# Altium PCB PCB2.PcbDoc (part 1 of 2)
Units mm, origin at the board's own origin, x right, y up, seen from the top; angles counter-clockwise.
Board outline 250.01 x 175.54 mm, 2 copper layers (Top Layer, Bottom Layer), stack 1.639 mm thick; 124 components, 51 nets, 283 pads, 38 vias.
Unrouted connection lines stored in the file: 9.
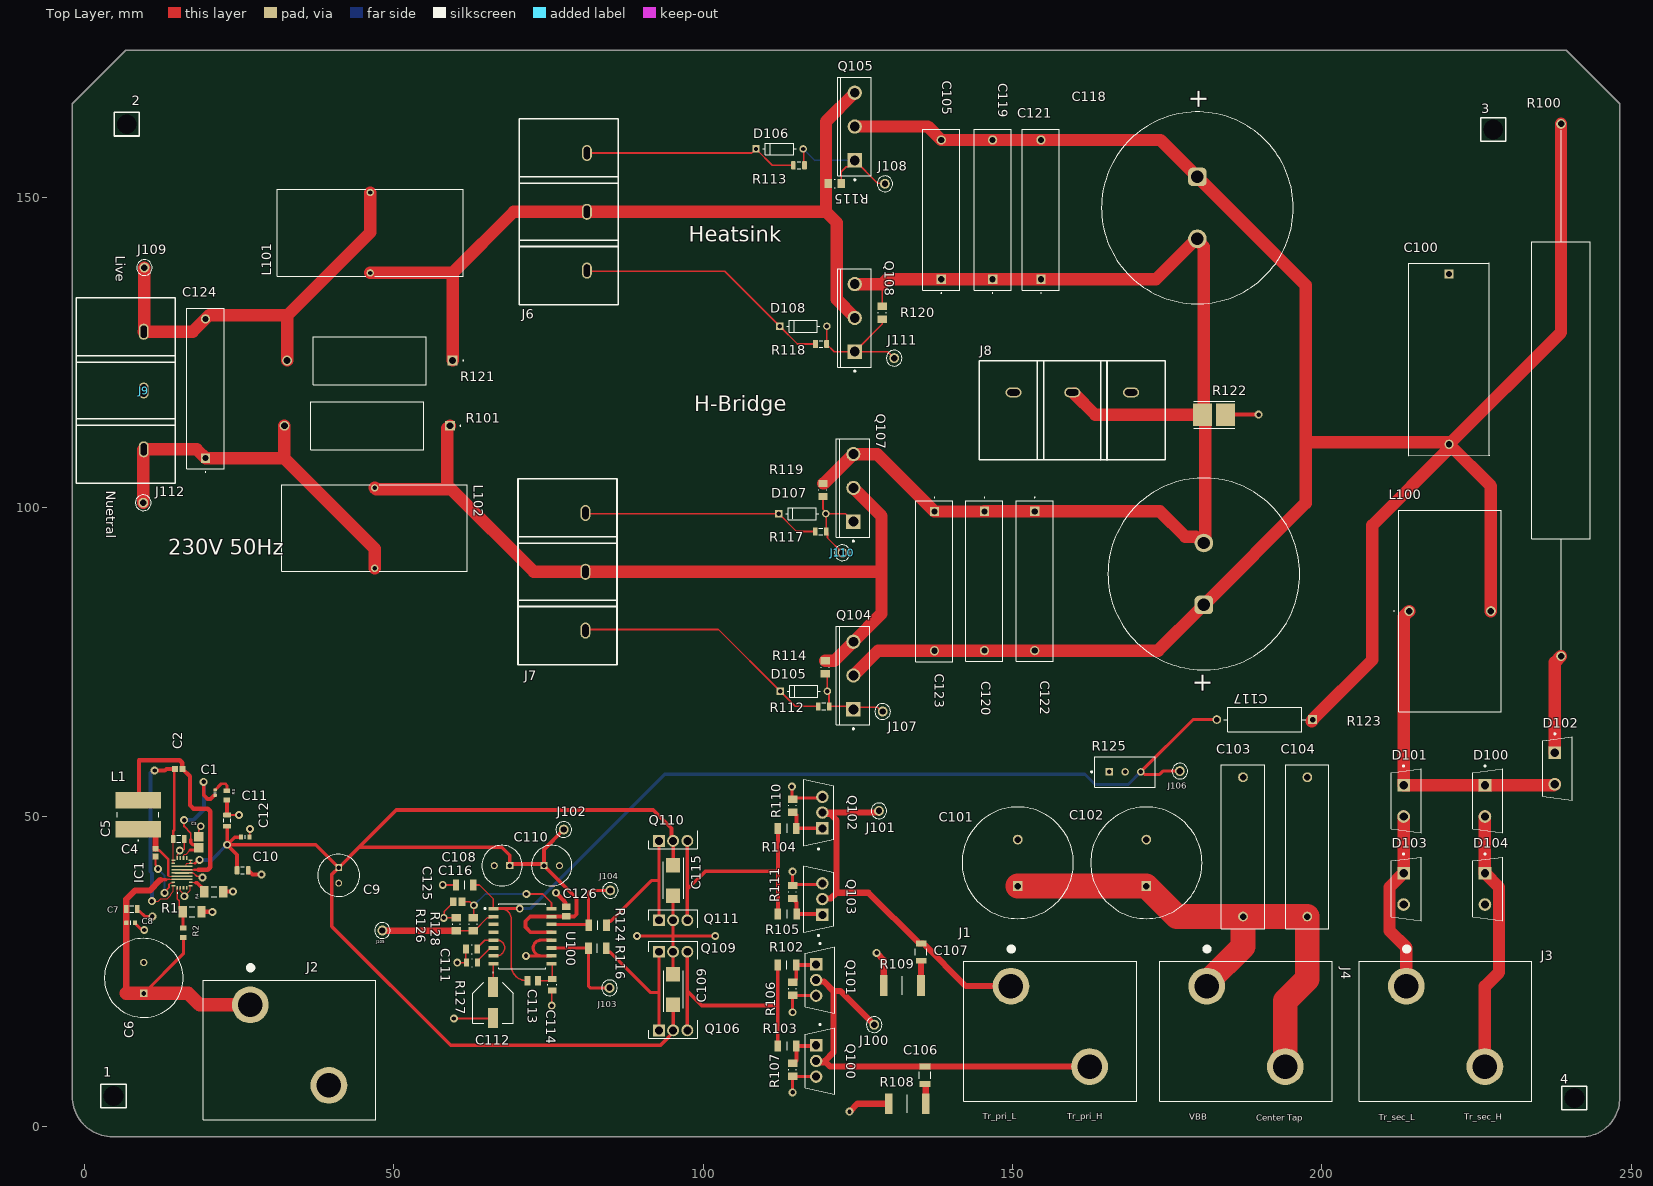
[diagram p0: Top Layer view]
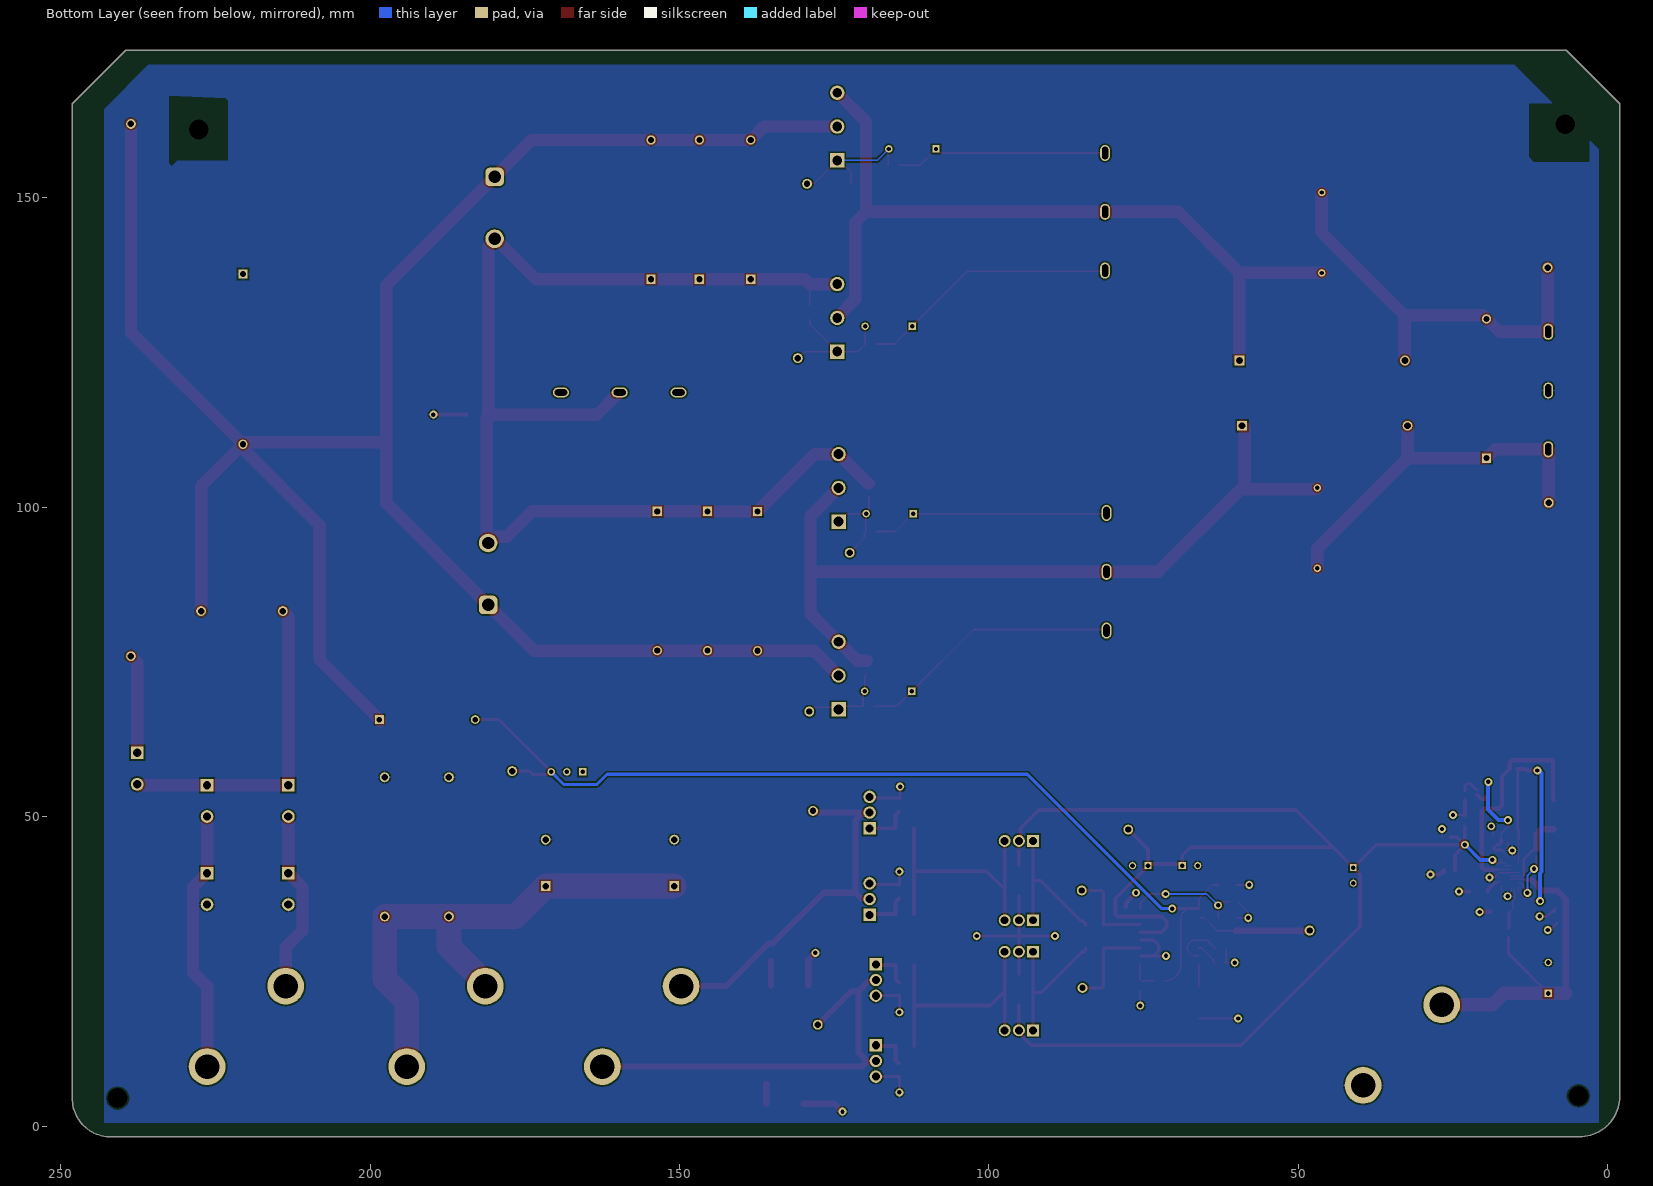
[diagram p1: Bottom Layer view, seen from below]
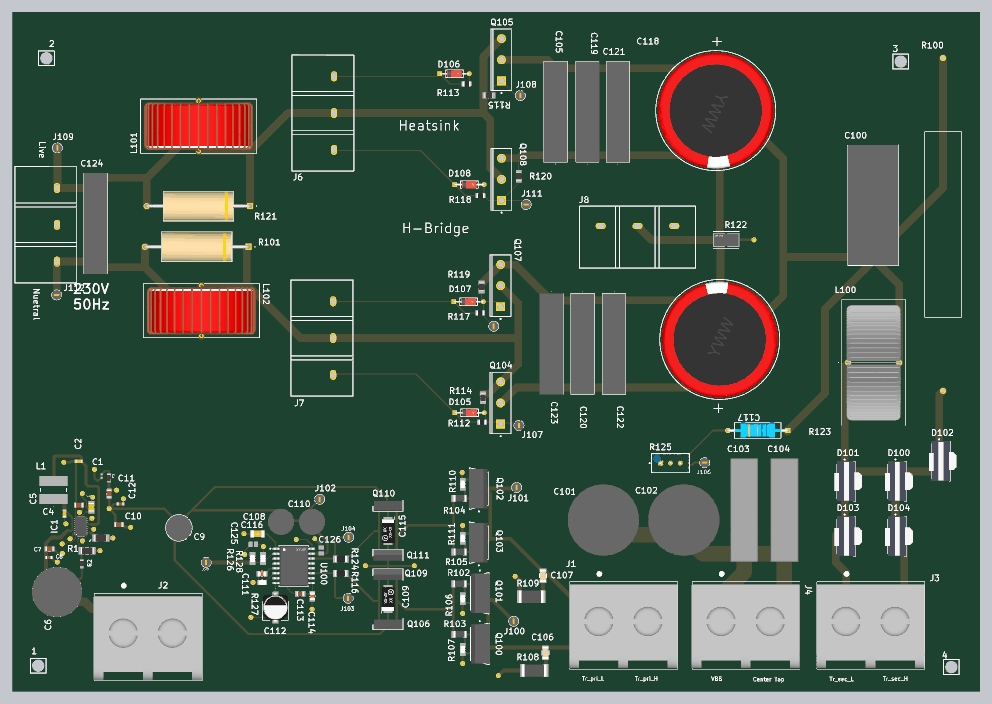
[diagram p3: 3D render of the assembled board from above, using the file's embedded part models]

## Layer stack, top to bottom
Top Solder: solder mask 0.0254, SM-001, Dk 4
Top Layer: signal copper 0.07
Dielectric 1: core 1.4986, Core-043, Dk 4.3
Bottom Layer: signal copper 0.07
Bottom Solder: solder mask 0.0254, SM-001, Dk 4

## Board outline
-1.905,4.775 ccw(c4.572,4.775) 4.572,-1.701 242.212,-1.701 ccw(c241.948,4.458) 248.107,4.194 248.107,165.225 239.494,173.838 6.708,173.838 -1.905,165.225

## Design rules (kind name [scope] priority, off if disabled: settings)
Clearance HV_clearence [InNetClass('HV_class')] p1: gap=2.5 ignorepadtopadclearanceinfootprint=TRUE except(0.5: SMDPad-SMDPad; 1: Arc-SMDPad Track-SMDPad)
Clearance [All] p2: gap=0.254 ignorepadtopadclearanceinfootprint=TRUE except(0.15: SMDPad-SMDPad)
Creepage HV_creepage [InNetClass('HV')] p1: checkdistance=4 applytopolygonpour=TRUE
Height [All] p1: minheight=0 maxheight=40 prefheight=12.7
HoleSize [All] p1: absolutevalues=TRUE maxlimit=5 minlimit=0.025 maxpercent=80.000 minpercent=20.000
MinimumSolderMaskSliver [All] p1: minsoldermaskwidth=0.1
PolygonConnect [All] p1: connectstyle=Relief reliefconductorwidth=0.254 reliefentries=4 polygonreliefangle="90 Angle" airgapwidth=0.254
RoutingVias [All] p1: holewidth=0.711 width=1.27 viastyle="Through Hole" minholewidth=0.711 minwidth=1.27 maxholewidth=0.711 maxwidth=1.27
SilkToSilkClearance [All] p1: silktosilkclearance=0.1
SilkToSolderMaskClearance [IsPad] p1: minsilkscreentomaskgap=0.1 clearancetoexposedcopper=TRUE
SolderMaskExpansion [All] p1: expansion=0 istentingtop=FALSE
SupplyNets "Schematic Supply Nets_2" [InNet('+400')] p1: voltage=0.000
SupplyNets "Schematic Supply Nets_1" [InNet('VBB')] p2: voltage=0.000
SupplyNets "Schematic Supply Nets" [InNet('GND')] p3: voltage=0.000
Width HV_width [InNetClass('HV_class')] p1: maxlimit=4 minlimit=0.5 preferedwidth=2 bottomlayer_minwidth=2 minimp=50.000000 maximp=50.000000 favimp=50.000000
Width [All] p2: maxlimit=4 minlimit=0.1 preferedwidth=0.254
25 further rules are at their usual default settings.

## Classes and differential pairs
component class U_powersupply: C1 C5 C7 C8 C11 C124 IC1 R1 R101 R121
component class U_24Vto320V: C100 C101 C102 C103 C104 C105 C106 C107 C108 C109 C110 C111 C112 C113 C114 C115 C116 C117 C118 C119 C120 C121 C122 C123 C124 C125 C126 D100 D101 D102 D103 D104 D105 D106 D107 D108 J100 J101 J102 J103 J104 J105 J106 J107 J108 J109 J110 J111 J112 L100 L101 L102 Q100 Q101 Q102 Q103 Q104 Q105 Q106 Q107 Q108 Q109 Q110 Q111 R100 R101 R102 R103 R104 R105 R106 R107 R108 R109 R110 R111 R112 R113 R114 R115 R116 R117 R118 R119 R120 R121 R122 R123 R124 R125 R126 R127 R128 U100
component class Overview: J2 J4 J6 J7 J102 J103 J112

## Components (designator, comment, footprint, x,y, rotation, side; value= is the part's Value field where it differs from the comment)
1 "Comment" MTHNP3P2MM 4.75,4.902 r0 top
2 "Comment" MTHNP3P2MM 6.883,161.9 r0 top
3 "Comment" MTHNP3P2MM 227.686,161.061 r0 top
4 "Comment" MTHNP3P2MM 240.792,4.547 r0 top
C1 "Capacitor 1nF +/-20% 50V 0402" CAPC0402(1005)33_L 21.155,53.905 r270 top value=1nF
C2 "Capacitor 100 nF +/-10% 50 V 0603" CAPC1608X90X40NL10T20 15.28,57.73 r0 top value=100nF
C3 "Capacitor 1 uF +/- 10% 25 V 0805" CAPC2013X145X50ML20T25 18.505,45.88 r270 top value=1µF
C4 "Capacitor 100 nF +/-10% 50 V 0603" CAPC1608X90X40NL10T20 11.555,44.205 r90 top value=100nF
C5 "Capacitor 4.7µF +/-40% 25V 0805" CAPC0805(2012)145_L 15.291,46.431 r180 top value=4.7µF
C6 "EKXJ251ELL560MK20S" CAPPRD500W60D1275H2000 9.631,21.457 r90 top
C7 "Capacitor 22µF +/-40% 16V 0805" CAPC0805(2012)145_L 7.696,35.103 r180 top value=22µF
C8 "Capacitor 1µF +/-40% 50V 0603" CAPC0603(1608)100_L 7.506,32.868 r180 top value=1µF
C9 "35ZLH100MEFC6.3X11" CAPPRD250W50D680H1250 41.127,41.78 r270 top
C10 "Capacitor 22µF +/-40% 16V 0805" CAPC0805(2012)145_L 25.605,41.355 r180 top value=22µF
C11 "Capacitor 22µF +/-40% 16V 0805" CAPC0805(2012)145_L 23.105,49.38 r270 top value=22µF
C12 "Capacitor 1µF +/-40% 50V 0603" CAPC0603(1608)100_L 26.03,46.73 r180 top value=1µF
C100 "4uF 600V" ECWFE2J225P5 220.548,137.685 r270 top
C101 "1500uF 35V" CAPPRD750W85D1800H2200 150.851,38.811 r90 top
C102 "1500uF 35V" CAPPRD750W85D1800H2200 171.628,38.811 r90 top
C103 "1uF" R75IN41004040J 187.249,45.134 r270 top
C104 "1uF" R75IN41004040J 197.637,45.134 r270 top
C105 "KYET MMKP224J2J2201" 222233915224 138.494,136.858 r90 top
C106 "4.7n" FP-C1206C-EB-MFG 135.865,8.231 r270 top value="4,700 pF"
C107 "4.7n4700PF" FP-C1206C-EB-MFG 135.23,28.143 r270 top value="4,700 pF"
C108 "47u" CAPPRD250W55D655H1220 68.773,42.102 r180 top
C109 "293D226X9025C2TE3" CAPPM6032X280N 95.17,22.098 r90 top
C110 "47u" CAPPRD250W55D655H1220 74.298,42.102 r0 top
C111 "CC0805KRX7R9BB472" FP-CC0805-0_85-MFG 62.598,28.627 r180 top value="4.7 nF"
C112 "100u" EEE0JA331XP 66.073,19.977 r270 top
C113 "47n" CAPC2012X145N 72.498,23.501 r0 top
C114 "10n" FP-CC0805-0_85-MFG 75.648,22.852 r270 top value="10 nF"
C115 "293D226X9025C2TE3" CAPPM6032X280N 95.17,39.714 r270 top
C116 "100p" CAPC3216X88N 61.473,38.977 r0 top
C117 "KNSCHA LSG450M277S253S1AA" WCAP-AIG8_D30H30 180.924,89.234 r270 top
C118 "KNSCHA LSG450M277S253S1AA" WCAP-AIG8_D30H30 179.883,148.391 r90 top
C119 "KYET MMKP224J2J2201" 222233915224 146.794,136.858 r90 top
C120 "KYET MMKP224J2J2201" 222233915224 145.465,99.343 r270 top
C121 "KYET MPB105J2J2201" 222233915224 154.594,136.858 r90 top
C122 "KYET MPB105J2J2201" 222233915224 153.59,99.343 r270 top
C123 "KYET MMKP224J2J2201" 222233915224 137.39,99.318 r270 top
C124 "C42Q320543P90001" 222233915224 19.609,107.95 r90 top
C125 "1uF" CAPC2013X140X50LL20T25 60.348,36.277 r180 top
C126 "GCM21BR71E104KA37L" CAPC2013X140X45LL15T25 77.902,34.671 r270 top
D100 "MUR860G" FP-221B-04-MFG 226.784,52.578 r0 top
D101 "MUR860G" FP-221B-04-MFG 213.648,52.578 r0 top
D102 "MUR860G" FP-221B-04-MFG 238.074,57.785 r0 top
D103 "MUR860G" FP-221B-04-MFG 213.648,38.354 r0 top
D104 "MUR860G" FP-221B-04-MFG 226.784,38.354 r0 top
D105 "1N4148" FP-017AG-MFG 116.281,70.282 r0 top
D106 "1N4148" FP-017AG-MFG 112.367,157.912 r0 top
D107 "1N4148" FP-017AG-MFG 116.027,98.984 r0 top
D108 "1N4148" FP-017AG-MFG 116.202,129.261 r0 top
IC1 "TPS55289RYQR" TPS55289RYQR 15.805,40.93 r90 top
J1 "38969-0002" 389690002 149.758,22.631 r0 top
J2 "Battery" 389690002 26.848,19.609 r0 top
J3 "38969-0002" 389690002 213.639,22.631 r0 top
J4 "38969-0002" 389690002 181.381,22.631 r0 top
J6 "DORABO DBT50G-9.5-3P-BK-P OGC" "DORABO DBT50G-9.5-3P-BK-P OGC" 81.229,147.751 r270 top
J7 "DORABO DBT50G-9.5-3P-BK-P OGC" "DORABO DBT50G-9.5-3P-BK-P OGC" 81.001,89.585 r270 top
J8 "DORABO DBT50G-9.5-3P-BK-P OGC" "DORABO DBT50G-9.5-3P-BK-P OGC" 159.664,118.567 r0 top
J9 "DORABO DBT50G-9.5-3P-BK-P OGC" "DORABO DBT50G-9.5-3P-BK-P OGC" 9.627,118.872 r270 top
J100 "TRI H" 5000 127.66,16.408 r90 top
J101 "TRI L" 5000 128.422,50.952 r90 top
J102 "PWM VCC" 5000 77.495,47.93 r90 top
J103 "PWMA" 5000 84.887,22.352 r90 top
J104 "PWMB" 5000 85.014,38.1 r90 top
J105 "PWM NON INV" 5000 48.184,31.623 r90 top
J106 "PWM INV" 5000 177.038,57.379 r0 top
J107 "2HO" 5000 129.032,67.005 r90 top
J108 "1HO" 5000 129.388,152.273 r90 top
J109 "Live" 5000 9.728,138.735 r90 top
J110 "2LO" 5000 122.504,92.659 r90 top
J111 "1LO" 5000 130.886,124.104 r0 top
J112 "Nuetral" 5000 9.55,100.736 r180 top
L1 "CDRH6D38T125NP-3R9NC" CDRH6D18HPNP101PC 8.738,50.317 r180 top
L100 "2mH" 2300LL102VRC 214.097,83.236 r0 top
L101 "744119" 744119 46.228,144.374 r180 top
L102 "744119" 744119 46.939,96.647 r0 top
Q100 "IRFB4115PBF" FP-PG-TO220-3-MFG 118.898,10.541 r0 top
Q101 "IRFB4115PBF" FP-PG-TO220-3-MFG 118.898,23.622 r0 top
Q102 "IRFB4115PBF" FP-PG-TO220-3-MFG 118.669,50.673 r180 top
Q103 "IRFB4115PBF" FP-PG-TO220-3-MFG 118.669,36.703 r180 top
Q104 "IRFP460PBF" VISH-TO-247AC-3 124.29,72.818 r180 top
Q105 "IRFP460PBF" VISH-TO-247AC-3 124.519,161.525 r180 top
Q106 "2SD882" BD235 92.88,15.494 r180 top
Q107 "IRFP460PBF" VISH-TO-247AC-3 124.29,103.143 r180 top
Q108 "IRFP460PBF" VISH-TO-247AC-3 124.519,130.608 r180 top
Q109 "2SB772" TO229P290X760X1320-3P 92.88,28.194 r0 top
Q110 "2SD882" BD235 92.88,46.101 r180 top
Q111 "2SB772" TO229P290X760X1320-3P 92.88,33.274 r0 top
R1 "Resistor 100k +/-1% 1206 250 mW" RESC3216X60X45ML15T20 17.43,34.63 r0 top value=100k
R2 "Resistor 100k +/-1% 0603 100 mW" RESC1608X55X25ML10T15 16.027,31.242 r90 top value=100k
R3 "Resistor 100k +/-1% 0603 100 mW" RESC1608X55X25ML10T15 23.055,53.455 r90 top value=100k
R4 "Resistor 100k +/-1% 1206 250 mW" RESC3216X60X45ML15T20 20.955,37.905 r180 top value=100k
R100 "1K2 10W" SQP10AJB100R 238.633,75.95 r90 top
R101 "AC05000001200JAC00" RES_AC05_VIS 59.538,123.719 r180 top
R102 "10" RESC3216X60N 113.565,26.035 r0 top
R103 "10" RESC3216X60N 113.589,12.954 r0 top
R104 "10" RESC3216X60N 113.589,48.133 r0 top
R105 "10" RESC3216X60N 113.613,34.29 r0 top
R106 "10k" FP-CRCW0805-e3-IPC_A 114.478,22.225 r90 top
R107 "10k" FP-CRCW0805-e3-IPC_A 114.478,9.109 r90 top
R108 "10R" RESC6332X70N 132.992,3.632 r0 top
R109 "10R" RESC6332X70N 132.204,22.733 r0 top
R110 "10k" FP-CRCW0805-e3-IPC_A 114.478,51.816 r270 top
R111 "10k" FP-CRCW0805-e3-IPC_A 114.478,37.846 r270 top
R112 "4.7 Ohm" RESC0805(2012)_L 119.507,67.843 r0 top value=470
R113 "4.7 Ohm" RESC0805(2012)_L 115.494,155.27 r0 top value=470
R114 "Resistor 10k +/-1% 0805 125 mW" RESC2013X50X35ML15T15 119.736,74.143 r270 top value=10k
R115 "Resistor 10k +/-1% 0805 125 mW" RESC2013X50X35ML15T15 121.276,152.324 r0 top value=10k
R116 "12R" RESC3116X65N 82.926,28.765 r0 top
R117 "4.7 Ohm" RESC0805(2012)_L 119.024,96.088 r0 top value=470
R118 "4.7 Ohm" RESC0805(2012)_L 119.075,126.39 r0 top value=470
R119 "Resistor 10k +/-1% 0805 125 mW" RESC2013X50X35ML15T15 119.38,102.802 r270 top value=10k
R120 "Resistor 10k +/-1% 0805 125 mW" RESC2013X50X35ML15T15 128.956,131.445 r270 top value=10k
R121 "AC05000001200JAC00" RES_AC05_VIS 59.106,113.182 r180 top
R122 "GMR100HTCFAR100" FP-GMR100-MFG 182.579,114.96 r180 top
R123 "MO2WS-300K±5%-6T52" FP-VR37-MFG 190.754,65.71 r180 top
R124 "CRCW120612R0FKEAHP" RESC3116X65N 82.976,32.465 r0 top
R125 "3296W-1-103LF" FP-3296W-MFG 168.199,57.257 r270 top
R126 "75k" FP-CRCW0805-e3-IPC_A 60.148,32.602 r270 top
R127 "3k" FP-CRCW0805-e3-IPC_C 62.672,26.427 r0 top
R128 "75k" FP-CRCW0805-e3-IPC_A 62.873,32.602 r270 top
U100 "SG3525ADWR2G" FP-751G-MFG 70.823,30.702 r0 top

## Footprints (in the part's own frame and the unit in brackets; to place one, negate y for a bottom-side part, rotate by r counter-clockwise, add the part's x,y. Pads: shape width x height; smd on the part's side, far side on the other; paste and mask are expansions set on the pad)
2300LL102VRC [mm]
  round 1.59 hole 1.06: 1(0,0) 2(13.208,0)
  silkscreen extent -2.5,-16.25 14.86,16.26, body extent -0.43,-14.91 13.64,14.91, height 30.78
5000 [mm]
  round 1.6 hole 1.02: 1(0,0)
  silkscreen extent -1.27,-1.27 1.27,1.27, body extent -1.26,-1.27 1.26,1.27, height 5
744119 [mm] "THT Leaded Toroidal Storage Choke, body 30x14mm"
  round 1.2 hole 0.7: 1(0,6.5) 2(0,-6.5)
  silkscreen extent -15,-7 15,7, body extent -14.06,-6.75 14.06,6.75, height 27.96
389690002 [mm]
  round 5.94 hole 3.96: 1(0,0) 2(12.7,-13)
  silkscreen extent -7.6,-18.6 20.3,6.05, body extent -7.73,-18.38 20.21,3.21, height 22.48
222233915224 [mm]
  rect 1.5x1.5 hole 1: 1(0,0)
  round 1.5 hole 1: 2(22.5,0)
  silkscreen extent -2.3,-3 24.25,3, body extent -1.75,-3 24.25,3, height 15.6
BD235 [mm]
  rect 1.92x1.92 hole 1.28: 1(0,0)
  round 1.92 hole 1.28: 2(-2.29,0) 3(-4.58,0)
  silkscreen extent -6.19,-1.6 1.61,1.3, body extent -5.99,-1.35 1.41,1.05, height 12.93
CAPC0402(1005)33_L [mm] "Chip Capacitor, Body 1.0x0.5mm, Height 0.33mm, IPC High Density"
  rrect25% 0.5x0.55 smd: 1(-0.45,0) 2(0.45,0)
  silkscreen extent 0,-0.2 0,0.2, body extent -0.5,-0.25 0.5,0.25, height 0.55
CAPC0603(1608)100_L [mm] "Chip Capacitor, Body 1.6x0.8mm, Height 1.0mm, IPC High Density"
  rrect25% 0.66x0.76 smd: 1(-0.7,0) 2(0.7,0)
  silkscreen extent 0,-0.3 0,0.3, body extent -0.8,-0.4 0.8,0.4, height 0.95
CAPC0805(2012)145_L [mm] "Chip Capacitor, Body 2.0x1.2mm, Height 1.45mm, IPC High Density"
  rrect25% 0.76x1.3 smd: 1(-0.9,0) 2(0.89,0)
  silkscreen extent -0.3,-0.55 0.3,0.55, body extent -1,-0.6 1,0.6, height 1.45
CAPC1608X90X40NL10T20 [mm] "Chip Capacitor, 2-Leads, Body 1.70x0.90mm, IPC Medium Density"
  rect 0.95x0.95 smd: 1(-0.625,0) 2(0.625,0)
  body extent -0.85,-0.45 0.85,0.45, height 0.9
CAPC2012X145N [mm]
  rect 0.97x1.47 smd: 1(-0.83,0) 2(0.83,0)
  body extent -1,-0.63 1,0.63, height 1.45
CAPC2013X140X45LL15T25 [mm] "Chip Capacitor, 2-Leads, Body 2.00x1.25mm, IPC High Density"
  rect 1.05x1.35 smd: 1(-0.75,0) 2(0.75,0)
  body extent -1.08,-0.7 1.07,0.7, height 1.4
CAPC2013X140X50LL20T25 [mm] "Chip Capacitor, 2-Leads, Body 2.00x1.25mm, IPC High Density"
  rect 1.1x1.35 smd: 1(-0.7,0) 2(0.7,0)
  body extent -1.1,-0.72 1.1,0.72, height 1.4
CAPC2013X145X50ML20T25 [mm] "Chip Capacitor, 2-Leads, Body 2.2x1.45mm, IPC Low Density"
  rect 1.5x1.55 smd: 1(-0.9,0) 2(0.9,0)
  body extent -1.1,-0.72 1.1,0.73, height 1.45
CAPC3216X88N [mm]
  rect 1.02x1.82 smd: 1(-1.4,0) 2(1.4,0)
  silkscreen extent 0,-0.7 0,0.7, body extent -1.7,-0.9 1.7,0.9, height 0.88
CAPPM6032X280N [mm]
  rect 2.35x2.25 smd: 1(-2.45,0) 2(2.45,0)
  silkscreen extent -3.62,-1.6 3,1.6, body extent -3.1,-1.67 3.1,1.68, height 2.54
CAPPRD250W50D680H1250 [mm]
  rect 1.1x1.1 hole 0.7: 1(0,0)
  round 1.1 hole 0.7: 2(2.5,0)
  silkscreen extent -2.15,-3.4 4.65,3.4, body extent -2.14,-3.4 4.65,3.4, height 12.5
CAPPRD250W55D655H1220 [mm]
  rect 1.15x1.15 hole 0.75: 1(0,0)
  round 1.15 hole 0.75: 2(2.5,0)
  silkscreen extent -2.02,-3.27 4.52,3.27, body extent -2.14,-3.4 4.65,3.4, height 12.2
CAPPRD500W60D1275H2000 [mm]
  rect 1.2x1.2 hole 0.8: 1(0,0)
  round 1.2 hole 0.8: 2(5,0)
  silkscreen extent -3.87,-6.38 8.87,6.37, body extent -3.99,-6.5 9,6.5, height 20
CAPPRD750W85D1800H2200 [mm]
  rect 1.575x1.575 hole 1.05: 1(0,0)
  round 1.575 hole 1.05: 2(7.5,0)
  silkscreen extent -5.25,-9 12.75,9, body extent -5.49,-9.25 13,9.25, height 22
CDRH6D18HPNP101PC [mm]
  rect 7.3x2.65 smd: 1(0,2.325) 2(0,-2.325)
  silkscreen extent -3.35,-0.4 3.35,4.2
"DORABO DBT50G-9.5-3P-BK-P OGC" [mm]
  oval 2.6x1.6 hole 1 slot 2 at 0 deg: 1(-9.5,0) 2(0,0) 3(9.5,0)
  silkscreen extent -15.01,-10.92 15,5.1
ECWFE2J225P5 [mm]
  rect 1.5x1.5 hole 1: 1(0,0)
  round 1.5 hole 1: 2(27.5,0)
  silkscreen extent -1.85,-6.6 29.35,6.6, body extent -1.75,-6.5 29.25,6.5, height 23.6
EEE0JA331XP [mm]
  rect 3.2x1.6 smd: 1(-2.5,0) 2(2.5,0)
  silkscreen extent -4.88,-3.3 3.3,3.3, body extent -3.65,-3.3 3.65,3.3, height 7.7
FP-017AG-MFG [mm]
  rect 1.2x1.2 hole 0.7 paste-2539.97 mask+0: 1(-3.813,0)
  round 1.2 hole 0.7 paste-2539.97 mask+0: 2(3.813,0)
  silkscreen extent -2.68,-0.95 2.68,0.95, body extent -4.51,-1.05 4.51,1.05, height 0.25
FP-221B-04-MFG [mm]
  rect 2.05x2.05 hole 1.35 paste-2539.97 mask+0: 1(-0.445,2.54)
  round 2.05 hole 1.35 paste-2539.97 mask+0: 3(-0.445,-2.54)
  silkscreen extent -2.41,-5.15 2.41,5.75, body extent -2.51,-5.25 2.51,5.25, height 0.25
FP-751G-MFG [mm]
  rect 1.62x0.58 smd paste+0 mask+0: 1(-4.69,4.445) 2(-4.69,3.175) 3(-4.69,1.905) 4(-4.69,0.635) 5(-4.69,-0.635) 6(-4.69,-1.905) 7(-4.69,-3.175) 8(-4.69,-4.445) 9(4.69,-4.445) 10(4.69,-3.175) 11(4.69,-1.905) 12(4.69,-0.635) 13(4.69,0.635) 14(4.69,1.905) 15(4.69,3.175) 16(4.69,4.445)
  silkscreen extent -6.17,-5.23 3.8,5.23, body extent -5.6,-5.48 5.6,5.48, height 0.25
FP-3296W-MFG [mm]
  rect 1.2x1.2 hole 0.7 paste-2539.97 mask+0: 1(0.005,-2.54)
  round 1.2 hole 0.7 paste-2539.97 mask+0: 2(0.005,0) 3(0.005,2.54)
  silkscreen extent -2.48,-5.52 2.48,4.89, body extent -2.58,-4.99 2.58,4.99, height 0.25
FP-C1206C-EB-MFG [mm]
  rect 0.95x1.7 smd paste+0 mask+0: 1(-1.4,0) 2(1.4,0)
  silkscreen extent -0.55,-0.9 0.55,0.9, body extent -2,-1 2,1, height 0.25
FP-CC0805-0_85-MFG [mm]
  rect 0.95x1.4 smd paste+0 mask+0: 1(-0.925,0) 2(0.925,0)
  silkscreen extent -0.08,-0.72 0.08,0.72, body extent -1.6,-1.05 1.6,1.05, height 0.25
FP-CRCW0805-e3-IPC_A [mil]
  rect 47.5x59.38 smd paste+0 mask+0: 1(-41.37,0) 2(41.37,0)
  silkscreen extent -3,-25 3,25, body extent -85,-49 85,49, height 10
FP-CRCW0805-e3-IPC_C [mil]
  rect 31.75x51.5 smd paste+0 mask+0: 1(-33.5,0) 2(33.5,0)
  silkscreen extent -3,-25 3,25, body extent -53,-31 53,31, height 10
FP-GMR100-MFG [mm]
  rect 3.1x3.6 smd paste+0 mask+0: 1(-1.85,0) 2(1.85,0)
  silkscreen extent -3.32,-2.17 3.32,2.17, body extent -3.5,-1.9 3.5,1.9, height 0.25
FP-PG-TO220-3-MFG [mm]
  rect 2x2 hole 1.3 paste-2539.97 mask+0: 1(-0.61,2.54)
  round 2 hole 1.3 paste-2539.97 mask+0: 2(-0.61,0) 3(-0.61,-2.54)
  silkscreen extent -2.41,-5.37 2.41,6, body extent -2.51,-5.6 2.51,5.6, height 0.25
FP-VR37-MFG [mm]
  rect 1.4x1.4 hole 0.9 paste-2539.97 mask+0: 1(-7.73,0)
  round 1.4 hole 0.9 paste-2539.97 mask+0: 2(7.73,0)
  silkscreen extent -6.63,-2 6.63,2, body extent -8.53,-2.1 8.53,2.1, height 0.25
MTHNP3P2MM [mm] "mountinh hole non plated 3.2mm"
  round 1 hole 3.2: ""(0,0)
  silkscreen extent -2.03,-1.91 2.03,1.91
R75IN41004040J [mm]
  round 1.575 hole 1.05: 1(-11.25,0) 2(11.25,0)
  silkscreen extent -13.25,-3.5 13.25,3.5, body extent -13.4,-3.6 13.4,3.6, height 16.1
RES_AC05_VIS [mil]
  rect 63x63 / inner round 60 / far side rect 63x63 hole 43 paste-99999 mask+0: 1(0,0)
  round 63 / inner round 60 / far side round 63 hole 43 paste-99999 mask+0: 2(1053,0)
  silkscreen extent -70,-152 886,153, body extent -16,-147 1069,147, height 295
RESC0805(2012)_L [mm] "Chip Resistor, Body 2.0x1.3mm, IPC High Density"
  rrect25% 0.76x1.3 smd: 1(-0.9,0) 2(0.89,0)
  silkscreen extent -0.3,-0.55 0.3,0.55, body extent -1,-0.62 1,0.63, height 0.6
RESC1608X55X25ML10T15 [mm] "Chip Resistor, 2-Leads, Body 1.70x0.90mm, IPC Low Density"
  rect 0.8x1 smd: 1(-0.75,0) 2(0.75,0)
  body extent -0.85,-0.45 0.85,0.45, height 0.55
RESC2013X50X35ML15T15 [mm] "Chip Resistor, 2-Leads, Body 2.2x1.4mm, IPC Low Density"
  rect 1.2x1.5 smd: 1(-1.05,0) 2(1.05,0)
  silkscreen extent -0.05,-0.65 0.05,0.65, body extent -1.1,-0.7 1.1,0.7, height 0.5
RESC3116X65N [mm]
  rect 1.1x1.8 smd: 1(-1.45,0) 2(1.45,0)
  silkscreen extent 0,-0.7 0,0.7, body extent -1.55,-0.8 1.55,0.8, height 0.65
RESC3216X60N [mm]
  rect 1.05x1.8 smd: 1(-1.5,0) 2(1.5,0)
  silkscreen extent 0,-0.7 0,0.7, body extent -1.42,-0.74 1.78,0.86, height 0.55
RESC3216X60X45ML15T20 [mm] "Chip Resistor, 2-Leads, Body 3.3x1.75mm, IPC Low Density"
  rect 1.35x1.85 smd: 1(-1.525,0) 2(1.525,0)
  silkscreen extent -0.45,-0.82 0.45,0.82, body extent -1.65,-0.87 1.65,0.87, height 0.6
RESC6332X70N [mm]
  rect 1.25x3.35 smd: 1(-3,0) 2(3,0)
  silkscreen extent 0,-1.48 0,1.48, body extent -3.15,-1.58 3.15,1.58, height 0.7
SQP10AJB100R [mm]
  round 1.575 hole 1.05: 1(0,0) 2(86,0)
  silkscreen extent 1,-4.75 85,4.75
TO229P290X760X1320-3P [mm]
  rect 1.92x1.92 hole 1.28: 1(0,0)
  round 1.92 hole 1.28: 2(2.29,0) 3(4.58,0)
  silkscreen extent -1.61,-1.19 6.19,1.71, body extent -1.51,-1.19 6.09,1.71, height 13.2
TPS55289RYQR [mm]
  rect 0.6x0.25 smd: 1(-2.4,0.75) 2(-2.4,0.25) 3(-2.4,-0.25) 4(-2.4,-0.75) 14(2.4,-0.75) 15(2.4,-0.25) 16(2.4,0.25) 17(2.4,0.75)
  rect 0.25x0.65 smd: 5(-2.04,-1.375) 13(2.04,-1.375) 18(2.04,1.375) 21(-2.04,1.375)
  rect 0.25x0.6 smd: 6(-1.54,-1.4) 12(1.54,-1.4) 19(1.54,1.4) 20(-1.54,1.4)
  rect 0.25x3.4 smd: 7(-1.04,0) 8(-0.54,0) 10(0.54,0) 11(1.04,0)
  rect 0.25x0.525 smd: 9(0,-1.438) 23(0,1.438)
  rect 0.33x2.35 smd: 22(0,0)
  silkscreen extent -3.3,0.7 -3.2,0.8, body extent -2.5,-1.5 2.5,1.5, height 1
VISH-TO-247AC-3 [mm] "FM, 3-Leads, Body 15.9x5.35mm, Pitch 5.46mm"
  rect 2.3x2.3 hole 1.6: 1(0,5.46)
  round 2.3 hole 1.6: 2(0,0) 3(0,-5.46)
  silkscreen extent -2.67,-7.95 2.74,8.72, body extent -2.64,-7.95 2.71,7.95, height 25.11
WCAP-AIG8_D30H30 [mm] "Aluminium Electrolytic Snap-In Capacitors, 30x30mm"
  rrect50% 3x3 hole 2: 1(5,0)
  round 3 hole 2: 2(-5,0)
  silkscreen extent -15.5,-15.5 15.5,15.5, body extent -21.21,-21.2 21.2,21.21, height 30.19

## Part data
C1: library part CMP-001-00066-3, "Chip Capacitor, 1nF +/-20%, 50V, 0402, Thickness 0.33 mm", Case/Package=0402, Max Operating Temperature=85°C, Min Operating Temperature=-55°C, Tolerance=10%, Voltage Rating=50V, Mounting Technology=SMT, Pins=2
C2 C4: library part CMP-001-00017-6, "Chip Capacitor, 100 nF, +/- 10%, 50 V, 0603 (1608 Metric)", Capacitor Type=Ceramic, Case/Package=0603, Max Operating Temperature=125°C, Min Operating Temperature=-55°C, Tolerance=10%, Voltage Rating=50V, Mounting Technology=SM, Pins=2, RoHS Compliant=True
C3: library part CMP-001-00010-6, "Chip Capacitor, 5.1pF, +/-10%, 250 V, 0805 (2012 Metric)", Capacitor Type=Ceramic, Case/Package=0805, Max Operating Temperature=125°C, Min Operating Temperature=-55°C, Tolerance=10%, Voltage Rating=25V, Mounting Technology=SM, Pins=2, RoHS Compliant=True
C5: library part CMP-001-00080-4, "Chip Capacitor, 4.7µF +/-40%, 25V, 0805, Thickness 1.45 mm", Case/Package=0805, Max Operating Temperature=85°C, Min Operating Temperature=-55°C, Tolerance=20%, Voltage Rating=25V, Mounting Technology=SMT, Pins=2
C6: library part UPW0J222MHD, "56uF 250V Aluminum Electrolytic Capacitors Through Hole,D12.5xL20mm 10000hrs@105℃", Manufacturer_Name=Nichicon, Mouser Part Number=647-UPW0J222MHD, Datasheet Link=https://componentsearchengine.com/Datasheets/1/UPW0J222MHD.pdf, Height=20mm, Manufacturer_Part_Number=UPW0J222MHD, Mouser Price/Stock=https://www.mouser.co.uk/ProductDetail/Nichicon/UPW0J222MHD?qs=xKlMw8j03VdQkAIq%2FPYnUg%3D%3D
C7 C10 C11: library part CMP-001-00081-4, "Chip Capacitor, 22µF +/-20%, 25V, 0805, Thickness 1.45 mm X5R", Case/Package=0805, Max Operating Temperature=85°C, Min Operating Temperature=-55°C, Tolerance=5%, Voltage Rating=16V, Mounting Technology=SMT, Pins=2
C8 C12: library part CMP-001-00078-4, "Chip Capacitor, 1µF +/-40%, 50V, 0603, Thickness 1 mm", Case/Package=0603, Max Operating Temperature=85°C, Min Operating Temperature=-55°C, Tolerance=10%, Voltage Rating=50V, Mounting Technology=SMT, Pins=2
C9: library part MAL203856101E3, "100uF 35V Aluminum Electrolytic Capacitors Through Hole,D6.3xL11mm 6000hrs@105℃", Manufacturer_Name=Vishay, Mouser Part Number=594-MAL203856101E3, Arrow Part Number=MAL203856101E3, Arrow Price/Stock=https://www.arrow.com/en/products/mal203856101e3/vishay, Datasheet Link=https://componentsearchengine.com/Datasheets/2/MAL203856101E3.pdf, Height=12.5mm, Manufacturer_Part_Number=MAL203856101E3, Mouser Price/Stock=https://www.mouser.co.uk/ProductDetail/Vishay-BC-Components/MAL203856101E3?qs=G99oyVYclWUG3wiHKtPKfA%3D%3D
C100: library part ECW-FE2J225P5, "C3D1U405KB00C00", Manufacturer_Name=Panasonic, Datasheet Link=https://industrial.panasonic.com/cdbs/www-data/pdf/RDI0000/ABD0000C202.pdf, Height=23.5mm, Manufacturer_Part_Number=ECW-FE2J225P5
C101 C102: library part EEU-FC1V152S, "35ZLH1500MEFC12.5X30", Manufacturer_Name=Panasonic, Mouser Part Number=667-EEU-FC1V152S, Arrow Part Number=EEU-FC1V152S, Arrow Price/Stock=https://www.arrow.com/en/products/eeu-fc1v152s/panasonic, Datasheet Link=http://industrial.panasonic.com/cdbs/www-data/pdf/RDF0000/ABA0000C1209.pdf, Height=22mm, Manufacturer_Part_Number=EEU-FC1V152S, Mouser Price/Stock=https://www.mouser.com/Search/Refine.aspx?Keyword=667-EEU-FC1V152S
C103 C104: library part R75IN41004040J, "C322C105J60C350", Manufacturer_Name="Yageo Group", Mouser Part Number=80-R75IN41004040J, Datasheet Link=https://www.yageogroup.com/content/datasheet/asset/file/KEM_F3106_R75, Height=16mm, Manufacturer_Part_Number=R75IN41004040J, Mouser Price/Stock=https://www.mouser.co.uk/ProductDetail/KEMET/R75IN41004040J?qs=pfd5qewlna63QSQqVCHX%2Fw%3D%3D
C105 C119 C120 C123: library part 222233915224, "220nF Film Capacitor ±5% 630V Through Hole P=22.5mm", Manufacturer_Name=Vishay, Mouser Part Number=N/A, Datasheet Link=https://www.vishay.com/docs/28138/mkp339x2.pdf, Height=15.5mm, Manufacturer_Part_Number=222233915224, Mouser Price/Stock=https://www.mouser.co.uk/ProductDetail/Vishay-BC-Components/222233915224?qs=vkgpMzy1B9Fp9IMdtZOLlw%3D%3D
C106 C107: library part CMP-03020-021254-1, "CAP CER 4700PF 100V 10% X7R 1206 / CC1206KRX7R0BB472", Capacitance="4,700 pF", Manufacturer=KEMET, Manufacturer Part Number=C1206C472K1RACTU, Package=C1206C-EB, Temperature="-55°C to +150°C", Temperature Characteristic=X7R, Temperature Coefficient=15%, Temperature Range High=+150°C, Temperature Range Low=-55°C, Tolerance=0.1, Voltage Rating="100 V", Automotive=Yes, Automotive Grade="Grade 0", Category=Cap, ComponentLink2Description=Datasheet, ComponentLink2URL=https://content.kemet.com/datasheets/KEM_C1007_X8R_ULTRA_150C_SMD.pdf, Device Class L1="Passive Components", Device Class L2=Capacitors, Device Class L3="Ceramic Capacitors", Digikey Description="CAP CER 4700PF 100V 10% X7R 1206", Height=0.88mm, Ipc Land Pattern Name=CAPC320160X78, Lead Free=Yes, Material=Ceramic, Mouser Description="1206 4.7nF Ceramic Multilayer Capacitor; 100V dc; 125C; X7R Dielectric; +/-10% SMD", Octopart=https://octopart.com/c1206c472k1ractu-kemet-3865440, RoHS=TRUE
C108 C110: library part EEU-FC1V470, "EEU-FC1V470", Manufacturer_Name=Panasonic, Mouser Part Number=667-EEU-FC1V470, Arrow Part Number=EEU-FC1V470, Arrow Price/Stock=https://www.arrow.com/en/products/eeu-fc1v470/panasonic?region=nac, Datasheet Link=http://industrial.panasonic.com/cdbs/www-data/pdf/RDF0000/ABA0000C1209.pdf, Height=12.2mm, Manufacturer_Part_Number=EEU-FC1V470, Mouser Price/Stock=https://www.mouser.co.uk/ProductDetail/Panasonic/EEU-FC1V470?qs=LcHzz5wiUnXQHudKE6FiUA%3D%3D
C109 C115: "Capacitor Polarised", Manufacturer_Name=Vishay, Mouser Part Number=74-293D226X9025C2TE3, Arrow Part Number=293D226X9025C2TE3, Arrow Price/Stock=https://www.arrow.com/en/products/293d226x9025c2te3/vishay?utm_currency=USD&region=nac, Datasheet Link=http://www.vishay.com/docs/40002/293d.pdf, Height=2.8mm, Manufacturer_Part_Number=293D226X9025C2TE3, Mouser Price/Stock=https://www.mouser.co.uk/ProductDetail/Vishay-Sprague/293D226X9025C2TE3?qs=dG4nGvFc7P9WRSkI1DdLhQ%3D%3D
C111: library part CMP-1036-03591-2, "CAP CER 4700PF 50V X7R 0805", Capacitance="4.7 nF", Manufacturer=Yageo, Package=CC0805-0.85, Temperature="-30°C to +85°C", Temperature Characteristic=X7R, Temperature Range High=+85°C, Temperature Range Low=-30°C, Tolerance=0.1, Voltage Rating="50 V", Automotive=No, Category=Cap, ComponentLink2Description=Datasheet, ComponentLink2URL=http://www.yageo.com/documents/recent/UPY-GPHC_Y5V_6.3V-to-50V_8.pdf, Device Class L1="Passive Components", Device Class L2=Capacitors, Device Class L3="Ceramic Capacitors", Digikey Description="CAP CER 4700PF 50V X7R 0805", Footprint Url=http://www.yageo.com/exep/pages/download/literatures/UPY-C_GEN_24.pdf, Height=0.95mm, Ipc Land Pattern Name=CAPC200125X85, Lead Free=Yes, Manufacturer Part Number=CC0805KRX7R9BB472, Material=Ceramic, Mouser Description="Multilayer Ceramic Capacitors MLCC - SMD/SMT 4.7nF 50V X7R 10%", Octopart=https://octopart.com/cc0805krx7r9bb472-yageo-192986, RoHS=TRUE
C112: library part EEE-1VA101XP, "EEE-1VA101XP", Manufacturer_Name=Panasonic, Mouser Part Number=667-EEE-1VA101XP, Arrow Part Number=EEE-1VA101XP, Arrow Price/Stock=https://www.arrow.com/en/products/eee-1va101xp/panasonic?region=europe, Datasheet Link=http://industrial.panasonic.com/cdbs/www-data/pdf/RDE0000/ABA0000C1145.pdf, Height=7.8mm, Manufacturer_Part_Number=EEE-1VA101XP, Mouser Price/Stock=https://www.mouser.co.uk/ProductDetail/Panasonic/EEE-1VA101XP?qs=wEytwf7f49FM0EqQXrBRGQ%3D%3D
C113: library part GRM21BR71H473KA01L, "GRM21BR71H473KA01L", Manufacturer_Name="Murata Electronics", Mouser Part Number=81-GRM40X473K50L, Arrow Part Number=GRM21BR71H473KA01L, Arrow Price/Stock=https://www.arrow.com/en/products/grm21br71h473ka01l/murata-manufacturing?region=europe, Datasheet Link=https://search.murata.co.jp/Ceramy/image/img/A01X/G101/ENG/GRM21BR71H473KA01-01.pdf, Height=1.45mm, Manufacturer_Part_Number=GRM21BR71H473KA01L, Mouser Price/Stock=https://www.mouser.co.uk/ProductDetail/Murata-Electronics/GRM21BR71H473KA01L?qs=sMEX%2F0vXHgl0Nq00%252BwNcXQ%3D%3D
C114: library part CMP-1036-03842-3, "CAP CER 10000PF 50V X7R 0805 / CC0805KRX7R9BB103", Capacitance="10 nF", Manufacturer=Yageo, Manufacturer Part Number=CC0805KRX7R9BB103, Package=CC0805-0.85, Temperature="-30°C to +85°C", Temperature Characteristic=X7R, Temperature Range High=+85°C, Temperature Range Low=-30°C, Tolerance=0.1, Voltage Rating="50 V", Automotive=No, Category=Cap, ComponentLink2Description=Datasheet, ComponentLink2URL=http://www.yageo.com/documents/recent/UPY-GPHC_Y5V_6.3V-to-50V_8.pdf, Device Class L1="Passive Components", Device Class L2=Capacitors, Device Class L3="Ceramic Capacitors", Digikey Description="CAP CER 10000PF 50V X7R 0805", Footprint Url=http://www.yageo.com/exep/pages/download/literatures/UPY-C_GEN_24.pdf, Height=0.95mm, Ipc Land Pattern Name=CAPC200125X85, Lead Free=Yes, Material=Ceramic, Mouser Description="Multilayer Ceramic Capacitors MLCC - SMD/SMT 10nF 50V X7R 10%", Octopart=https://octopart.com/cc0805krx7r9bb103-yageo-192989, RoHS=TRUE
C116: library part C1206C101J5GACTU7990, "C1206C101J5GACTU7990", Manufacturer_Name="Yageo Group", Arrow Part Number=C1206C101J5GACTU7990, Arrow Price/Stock=https://www.arrow.com/en/products/c1206c101j5gactu7990/kemet-corporation, Datasheet Link=https://www.kemet.com/specsheet/C1206C101J5GACTU, Height=0.88mm, Manufacturer_Part_Number=C1206C101J5GACTU7990
C117 C118: library part CMP-03913-54202287-2, "270uF ±20% 450V Aluminum Electrolytic Capacitors Through Hole,D30xL25mm", Capacitance=150µF, Case/Package=Radial, ESR (Equivalent Series Resistance)=580.56mΩ, Leakage Current=1.35mA, Max Operating Temperature=85°C, Min Operating Temperature=-25°C, Ripple Current=1.39A, Tolerance=20%, Voltage Rating=450V, Diameter=30mm, Height=31mm, Height - Seated (Max)=32.9946mm, Lead Pitch=10.0076mm, Length=31mm, Life (Hours)=2000hours, Mount="Through Hole", Pitch=10mm, Polarity=Polar, REACH SVHC=Unknown, RoHS=Compliant, Voltage Rating (DC)=450V
C121 C122: library part 222233915224, "1uF Film Capacitor ±5% 630V Through Hole P=22.5mm", Manufacturer_Name=Vishay, Mouser Part Number=N/A, Datasheet Link=https://www.vishay.com/docs/28138/mkp339x2.pdf, Height=15.5mm, Manufacturer_Part_Number=222233915224, Mouser Price/Stock=https://www.mouser.co.uk/ProductDetail/Vishay-BC-Components/222233915224?qs=vkgpMzy1B9Fp9IMdtZOLlw%3D%3D
C124: library part 222233915224, "2uF ±10% 275V 310V Safety Capacitor X2 Through Hole,P=22.5mm", Manufacturer_Name=Vishay, Mouser Part Number=N/A, Datasheet Link=https://www.vishay.com/docs/28138/mkp339x2.pdf, Height=15.5mm, Manufacturer_Part_Number=222233915224, Mouser Price/Stock=https://www.mouser.co.uk/ProductDetail/Vishay-BC-Components/222233915224?qs=vkgpMzy1B9Fp9IMdtZOLlw%3D%3D
C125: library part CMP-2007-03234-1, "C0805C105K3RACTU", Manufacturer=Kemet, Part Number=C0805C105K3RACTU
C126: library part CMP-2007-03344-1, Manufacturer=Murata, Part Number=GCM21BR71E104KA37L
D100 D101 D102 D103 D104: library part CMP-0902-00354-3, Average Rectified Current=8A, Breakdown Voltage=600V, Case/Package=TO-220-2, Forward Voltage=1.5V, Manufacturer Lifecycle Status=ACTIVE, Max Forward Surge Current (Ifsm)=100A, Max Operating Temperature=175°C, Min Operating Temperature=-65°C, Peak Reverse Current=10µA, Contact Plating=Tin, Current Rating=8A, Element Configuration=Single, Forward Current=8A, Height=9.27mm, Lead Free="Lead Free", Length=10.29mm, Lifecycle Status=Production, Max Repetitive Reverse Voltage (Vrrm)=600V, Max Reverse Voltage (DC)=600V, Max Surge Current=100A, NexarPartId=120366, Number of Pins=2, Output Current=8A, Peak Non-Repetitive Surge Current=100A, Polarity=Standard, Radiation Hardening=No, REACH SVHC="No SVHC", Recovery Time=60ns, Reverse Recovery Time=60ns, Reverse Voltage=600V, RoHS=Compliant, Schedule B="8541100080, 8541100080", Voltage Rating (DC)=600V, Weight=4.535924g, Width=4.82mm
D105 D106 D107 D108: library part CMP-07163-000046-1, "DIODE GEN PURP 100V 200MA DO35", Average Rectified Current=200mA, Capacitance=4pF, Case/Package=DO-35, Current=4A, Forward Current=300mA, Forward Voltage=1V, Max Forward Surge Current (Ifsm)=1A, Max Operating Temperature=175°C, Max Power Dissipation=500mW, Max Repetitive Reverse Voltage (Vrrm)=100V, Max Reverse Current=5uA, Min Operating Temperature=-65°C, Package Quantity=2000, Contact Plating=Tin, Current Rating=200mA, Diameter=1.91mm, Element Configuration=Single, Height=4.56mm, Lead Free="Lead Free", Length=4.56mm, Max Reverse Voltage (DC)=100V, Max Surge Current=4A, Mount="Through Hole", Number of Pins=2, Output Current=200mA, Outside Diameter=1.85mm, Packaging=Bulk, Peak Non-Repetitive Surge Current=4A, Polarity=Standard, Power Dissipation=500mW, Radiation Hardening=No, REACH SVHC="No SVHC", Recovery Time=4ns, Reverse Recovery Time=4ns, Reverse Voltage=100V, Series=-, Voltage=100V, Voltage Rating (DC)=100V, Weight=0.01lb, Width=1.91mm
IC1: "Integrated Circuit", Manufacturer_Name="Texas Instruments", Mouser Part Number=595-TPS55289RYQR, Arrow Part Number=TPS55289RYQR, Arrow Price/Stock=https://www.arrow.com/en/products/tps55289ryqr/texas-instruments.html?utm_currency=USD&region=nac, Datasheet Link=https://www.ti.com/lit/ds/symlink/tps55289.pdf?ts=1664818706180&ref_url=https%253A%252F%252Fwww.ti.com%252Fproduct%252FTPS55289%252Fpart-details%252FTPS55289RYQR%253FkeyMatch%253DTPS55289RYQR, Height=1mm, Manufacturer_Part_Number=TPS55289RYQR, Mouser Price/Stock=https://www.mouser.co.uk/ProductDetail/Texas-Instruments/TPS55289RYQR?qs=T%252BzbugeAwjhgaIN94Lbpjg%3D%3D
J1 J3 J4: "Connector", Manufacturer_Name=Molex, Mouser Part Number=538-38969-0002, Datasheet Link=https://www.mouser.com/datasheet/2/276/0389690002_TERMINAL_BLOCKS-138581.pdf, Height=21.9mm, Manufacturer_Part_Number=38969-0002, Mouser Price/Stock=https://www.mouser.co.uk/ProductDetail/Molex/38969-0002?qs=%2Fs3Y63xoe9mbpbSgf7b48A%3D%3D
J2: library part 38969-0002, "38969-0002", Manufacturer_Name=Molex, Mouser Part Number=538-38969-0002, Datasheet Link=https://www.mouser.com/datasheet/2/276/0389690002_TERMINAL_BLOCKS-138581.pdf, Height=21.9mm, Manufacturer_Part_Number=38969-0002, Mouser Price/Stock=https://www.mouser.co.uk/ProductDetail/Molex/38969-0002?qs=%2Fs3Y63xoe9mbpbSgf7b48A%3D%3D
J100 J101 J102 J103 J104 J105 J106 J107 J108 J109 J110 J111 J112: library part 5000, "Connector", Manufacturer_Name="Keystone Electronics", Mouser Part Number=534-5000, Arrow Part Number=5000, Arrow Price/Stock=https://www.arrow.com/en/products/5000/keystone-electronics.html?utm_currency=USD&region=europe, Datasheet Link=http://www.keyelco.com/product-pdf.cfm?p=1309, Manufacturer_Part_Number=5000, Mouser Price/Stock=https://www.mouser.co.uk/ProductDetail/Keystone-Electronics/5000?qs=q0tsjPZWdm%252B9SiiTAbEwUw%3D%3D
L1: library part CDRH6D18HPNP-101PC, "Inductor 3.9uH ,19.6mOhm, SMD, 6.7mm X 6.7mm", Manufacturer_Name=Sumida, Datasheet Link=https://4donline.ihs.com/images/VipMasterIC/IC/SMDC/SMDC-S-A0002849326/SMDC-S-A0002849326-1.pdf?hkey=EF798316E3902B6ED9A73243A3159BB0, Height=2mm, Manufacturer_Part_Number=CDRH6D18HPNP-101PC
L100: library part 2300LL-102-V-RC, "XR106125T202MV1L-2S", Manufacturer_Name=Bourns, Mouser Part Number=652-2300LL-102-V-RC, Arrow Part Number=2300LL-102-V-RC, Arrow Price/Stock=https://www.arrow.com/en/products/2300ll-102-v-rc/bourns?utm_currency=USD&region=nac, Datasheet Link=https://www.mouser.com/datasheet/2/54/2300ll_series-776387.pdf, Height=32.512mm, Manufacturer_Part_Number=2300LL-102-V-RC, Mouser Price/Stock=https://www.mouser.co.uk/ProductDetail/Bourns/2300LL-102-V-RC?qs=d7g9p1yFhWZHzfawXthNnQ%3D%3D
L101 L102: library part CMP-03913-22803290-2, "Toroidal Inductor, 890Uh, 2A, Tht Rohs Compliant: Yes", Ambient Temperature Range High=65°C, Ambient Temperature Range Low=-40°C, Case/Package=Radial, Current Rating=2A, DC Resistance (DCR)=400mΩ, Inductance=890µH, Max DC Current=1A, Max Operating Temperature=105°C, Saturation Current=900mA, Self Resonant Frequency=850kHz, Test Frequency=10kHz, Tolerance=20%, Core Material=Ferrite, Depth=14mm, Diameter=30mm, Height=12mm, Lead Pitch=13mm, Length=30mm, Min Operating Temperature=-40°C, Mount="Through Hole, Wire", Packaging=Bulk, Pin Length=12mm, Pitch=500µm, RoHS=Compliant, Series Resistance=400mΩ, Shielding=Unshielded, Termination="Through Hole", Width=14mm
Q100 Q101 Q102 Q103: library part CMP-32901-000101-1, "MOSFET N-CH 150V 104A TO220AB", Continuous Drain Current=104A, Drain To Source Breakdown Voltage=150V, Drain To Source Resistance=9.3mΩ, Gate To Source Voltage=20V, Input Capacitace At Vds="5270pF @ 50V", Manufacturer="Infineon Technologies", Max Forward Diode Voltage=1.3V, Max Junction Temp=+175°C, Package=PG-TO220-3, Power Dissipation=380W, Pulse Drain Current=420A, Temperature="-55°C to +175°C", Temperature Range Low=-55°C, Automotive=No, Category=Trans, ComponentLink2Description=Datasheet, ComponentLink2URL=https://www.infineon.com/dgdl/irfb4115pbf.pdf?fileId=5546d462533600a401535615ba6a1e0f, Depletion Mode=False, Device Class L1="Discrete Semiconductors", Device Class L2=Transistors, Device Class L3=MOSFETs, Digikey Description="MOSFET N-CH 150V 104A TO220AB", Drain To Source Voltage=150V, Footprint Url=https://www.infineon.com/dgdl/po-to220ab-fp.pdf?fileId=5546d462580663ef0158068cfbee01be, Gate Charge At Vgs="77nC @ 10V", Height=19.8mm, Ipc Land Pattern Name=TO-220, Lead Free=Yes, Manufacturer Part Number=IRFB4115PBF, Mouser Description="MOSFET Operating temperature: -55...+175 °C Housing type: TO-220 Polarity: N Power dissipation: 380 W", Number Of Channels=1, Number Of N Channels=1, Octopart=https://octopart.com/irfb4115pbf-infineon-65873822, Reverse Recovery Charge=300nC, Reverse Recovery Time=86ns, RoHS=TRUE, Rthja Max=62°C/W, Standoff Height=3.37mm, Temperature Range High=+175°C, Threshold Vgs Max=5V, Threshold Vgs Min=3V, Turn Off Delay Time=41ns, Turn On Delay Time=18ns
Q104 Q105 Q107 Q108: library part CMP-2000-06478-1, "N-Channel Power MOSFET, 500 V, -55 to 150 degC, 3-Pin FM (TO-247), RoHS, Tube", Continuous Drain Current Id=20A, Drain Source Voltage Vds=500V, Manufacturer=Vishay, On Resistance Rds(on)=0.27ohm, Operating Temperature Max=150°C, Package Description="3-Pin Flange Mount Package, Body 15.58 x 4.945 mm, Pitch 5.46 mm", Package Reference=TO-247AC-3, Power Dissipation Pd=280W, Rds(on) Test Voltage Vgs=10V, Threshold Voltage Vgs=4V, Transistor Case Style=TO-247AC, Automotive Qualification Standard=-, Datasheet URL=https://datasheet.ciiva.com/17070/0900766b8079122f-17070730.pdf, Datasheet Version="Rev. A, 07/2008", Manufacturer URL=http://www.vishay.com/, Mounting Technology=ThroughHole, MSL=-, No. of Pins=3Pins, Product Range=-, SVHC=ToBeAdvised, Transistor Polarity=NChannel
Q106 Q110: "Transistor BJT NPN", Manufacturer_Name=STMicroelectronics, Mouser Part Number=511-2SD882, Arrow Part Number=2SD882, Arrow Price/Stock=https://www.arrow.com/en/products/2sd882/stmicroelectronics?utm_currency=USD&region=nac, Datasheet Link=https://www.st.com/resource/en/datasheet/2sd882.pdf, Height=2.9mm, Manufacturer_Part_Number=2SD882, Mouser Price/Stock=https://www.mouser.co.uk/ProductDetail/STMicroelectronics/2SD882?qs=48xh8PjiJp54c%2F0PmkMjUQ%3D%3D
Q109 Q111: "Transistor BJT PNP", Manufacturer_Name=STMicroelectronics, Mouser Part Number=511-2SB772, Datasheet Link=https://datasheet.datasheetarchive.com/originals/distributors/Datasheets-45/DSA-5248.pdf, Height=2.9mm, Manufacturer_Part_Number=2SB772, Mouser Price/Stock=https://www.mouser.co.uk/ProductDetail/STMicroelectronics/2SB772?qs=7kmgJcyZw9d2sYv58XGrqg%3D%3D
R1: library part CMP-009-00025-5, "Chip Resistor, 100 KOhm, +/- 1%, 0.25 W, -55 to 155 degC, 1206 (3216 Metric)", Case/Package=1206, Max Operating Temperature=155°C, Min Operating Temperature=-55°C, Power=250mW, Tolerance=1%, Voltage Rating=200V, Mounting Technology=SM, Pins=2, RoHS Compliant=True
R2: library part CMP-009-00023-5, "Chip Resistor, 715 KOhm, +/- 1%, 0.1 W, -55 to 155 degC, 0603 (1608 Metric)", Case/Package=0603, Max Operating Temperature=155°C, Min Operating Temperature=-55°C, Power=100mW, Tolerance=1%, Voltage Rating=50V, Mounting Technology=SM, Pins=2, RoHS Compliant=True
R3: library part CMP-009-00023-5, "Chip Resistor, 105 KOhm, +/- 1%, 0.1 W, -55 to 155 degC, 0603 (1608 Metric)", Case/Package=0603, Max Operating Temperature=155°C, Min Operating Temperature=-55°C, Power=100mW, Tolerance=1%, Voltage Rating=50V, Mounting Technology=SM, Pins=2, RoHS Compliant=True
R4: library part CMP-009-00025-5, "Chip Resistor, 48.7 KOhm, +/- 1%, 0.25 W, -55 to 155 degC, 200V, 1206 (3216 Metric)", Case/Package=1206, Max Operating Temperature=155°C, Min Operating Temperature=-55°C, Power=250mW, Tolerance=1%, Voltage Rating=200V, Mounting Technology=SM, Pins=2, RoHS Compliant=True